# Altium PCB F103ZET6.PcbDoc (part 2 of 3)
Units mil, origin at the board's own origin, x right, y up, seen from the top; angles counter-clockwise.
Board outline 3789 x 2423 mil, 2 copper layers (Top Layer, Bottom Layer); 127 components, 166 nets, 593 pads, 224 vias.
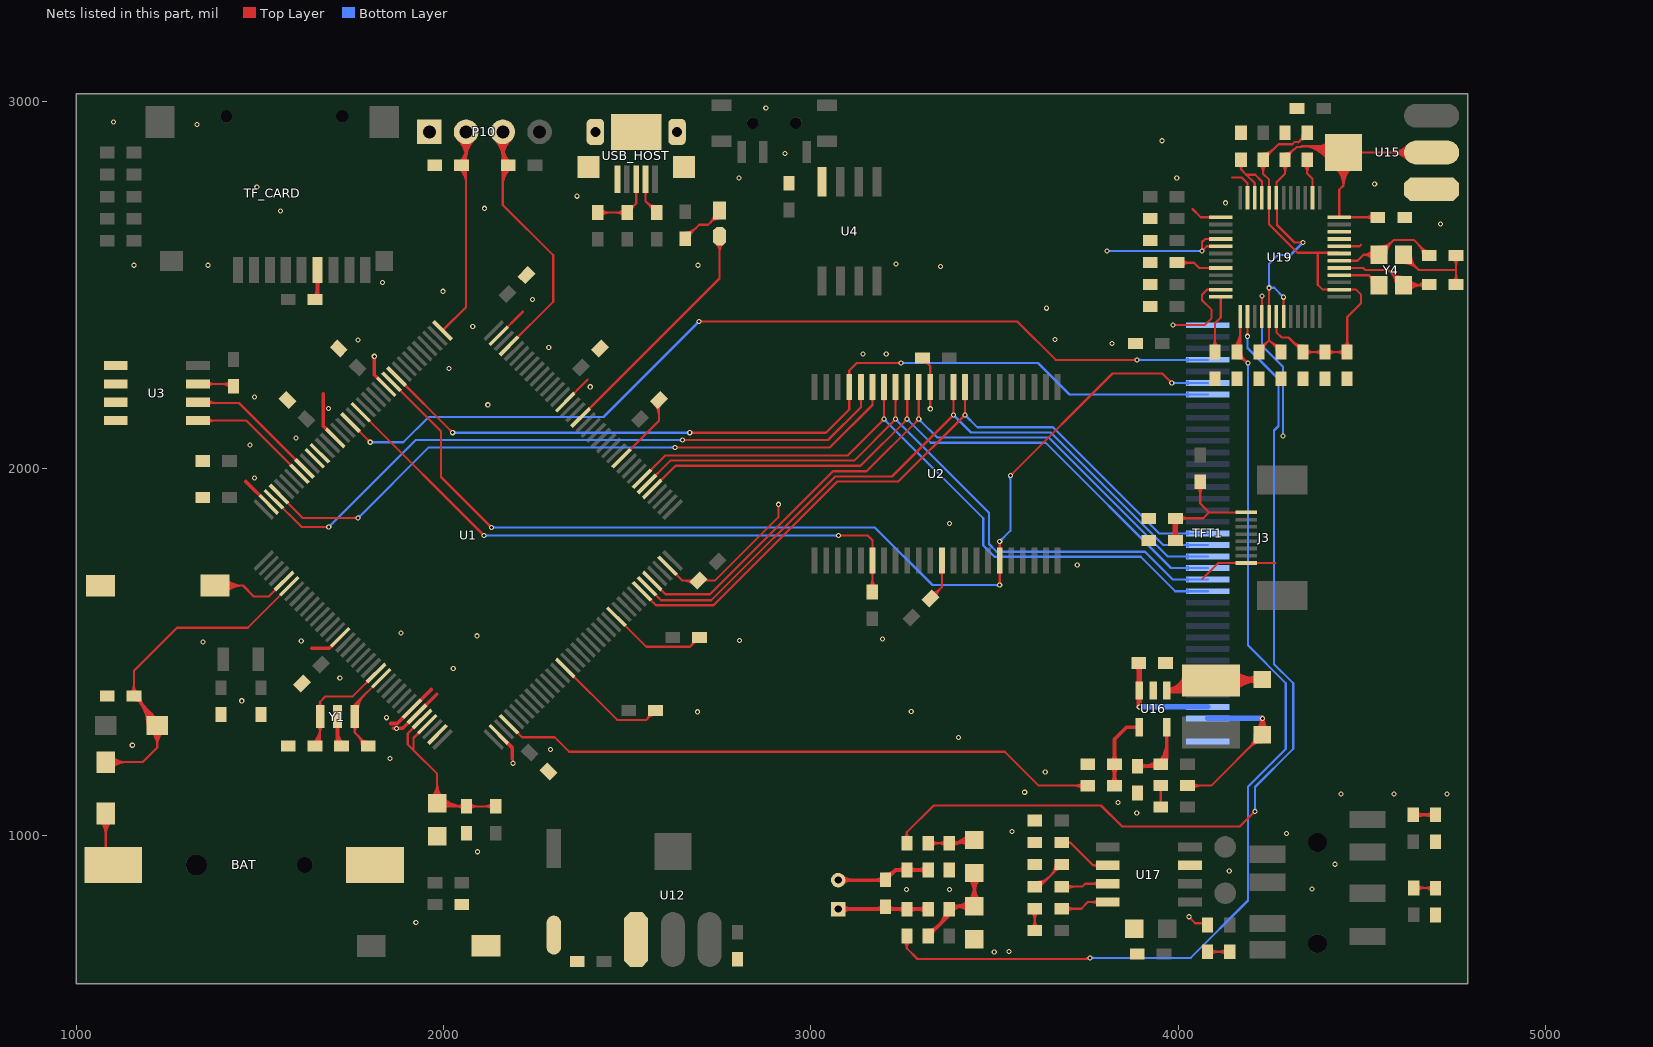
[diagram p2: the nets of this part, all layers, seen from the top]

## Via types
v1: diameter 14, hole 8, Top Layer to Bottom Layer, 224 vias

## Nets (pads, with @x,y where several pads share a name; then routed paths per layer and width w, separated by ;. In a path a pad name is that pad's centre, name@x,y a point inside that pad or via, vN(x,y) a via of type N, cw(c..) or ccw(c..) an arc to the next point about the centre after c; other vN are vias at no path point) (continued)
FSMC_D10: TFT1.19 U1.66 U2.31 | length 2063.3
  Top Layer w6: U1.66@2539.77,1665.25 2578.02,1627 2734.6,1627 3071.6,1964 3238.01,1964 v1(3419.43,2145.42) U2.31@3419.43,2221.09 ; v1@3415.43,2145.42 cw(c3405.77,2145.42) 3412.6,2138.59 cw(c3419.43,2131.76) v1@3419.43,2141.42 ; U2.31@3415.98,2190.08 cw(c3407.66,2181.76) 3419.43,2181.76 cw(c3431.19,2181.76) U2.31@3422.87,2190.08 ; v1@3416.6,2148.25 ccw(c3409.77,2155.07) 3419.43,2155.07 ccw(c3429.08,2155.07) v1@3422.25,2148.25
  Bottom Layer w6: v1@3419.43,2141.42 cw(c3419.43,2131.76) 3426.25,2138.59 cw(c3433.08,2145.42) v1@3423.43,2145.42 ; v1(3419.43,2145.42) 3453.06,2111.78 3659.03,2111.78 3947.89,1822.92 TFT1.19@4080.79,1822.92 ; TFT1.19@4026.16,1819.47 ccw(c4017.84,1811.15) 4017.84,1822.92 ccw(c4017.84,1834.69) TFT1.19@4026.16,1826.37
FSMC_D11: TFT1.20 U1.67 U2.32 | length 2057.9
  Top Layer w6: U1.67@2553.69,1679.17 2591.86,1641 2728.8,1641 3065.8,1978 3220.51,1978 v1(3387.93,2145.42) U2.32@3387.93,2221.09 ; v1@3383.93,2145.42 cw(c3374.27,2145.42) 3381.1,2138.59 cw(c3387.93,2131.76) v1@3387.93,2141.42 ; U2.32@3384.48,2190.08 cw(c3376.16,2181.76) 3387.93,2181.76 cw(c3399.7,2181.76) U2.32@3391.38,2190.08 ; v1@3385.1,2148.25 ccw(c3378.27,2155.07) 3387.93,2155.07 ccw(c3397.59,2155.07) v1@3390.76,2148.25
  Bottom Layer w6: v1@3387.93,2142.71 3387.93,2141.42 cw(c3387.93,2131.76) 3394.76,2138.59 cw(c3401.59,2145.42) v1@3391.93,2145.42 ; v1(3387.93,2145.42) 3435.57,2097.78 3653.23,2097.78 3959.59,1791.43 TFT1.20@4080.79,1791.43 ; TFT1.20@4026.16,1787.98 ccw(c4017.84,1779.66) 4017.84,1791.43 ccw(c4017.84,1803.19) TFT1.20@4026.16,1794.87
FSMC_D12: TFT1.21 U1.68 U2.35 | length 2050.2
  Top Layer w6: U1.68@2567.61,1693.09 2603.7,1657 2725,1657 3060,1992 3151.49,1992 v1(3293.44,2133.95) U2.35@3293.44,2221.09 ; v1@3289.44,2133.95 cw(c3279.79,2133.95) 3286.61,2127.12 cw(c3293.44,2120.3) v1@3293.44,2129.95 ; U2.35@3290,2190.08 cw(c3281.68,2181.76) 3293.44,2181.76 cw(c3305.21,2181.76) U2.35@3296.89,2190.08 ; v1@3290.61,2136.78 ccw(c3283.79,2143.61) 3293.44,2143.61 ccw(c3303.1,2143.61) v1@3296.27,2136.78
  Bottom Layer w6: v1@3293.44,2129.95 cw(c3293.44,2120.3) 3300.27,2127.12 cw(c3307.1,2133.95) v1@3297.44,2133.95 ; v1(3293.44,2133.95) 3343.61,2083.78 3647.43,2083.78 3971.28,1759.93 TFT1.21@4080.79,1759.93 ; TFT1.21@4026.16,1756.48 ccw(c4017.84,1748.16) 4017.84,1759.93 ccw(c4017.84,1771.7) TFT1.21@4026.16,1763.38
FSMC_D13: TFT1.22 U1.77 U2.36 | length 1929.6
  Top Layer w6: U1.77@2567.61,1943.64 2630.97,2007 3134.99,2007 v1(3261.95,2133.95) U2.36@3261.95,2221.09 ; v1@3257.95,2133.95 cw(c3248.29,2133.95) 3255.12,2127.12 cw(c3261.95,2120.3) v1@3261.95,2129.95 ; U2.36@3258.5,2190.08 cw(c3250.18,2181.76) 3261.95,2181.76 cw(c3273.71,2181.76) U2.36@3265.39,2190.08 ; v1@3259.12,2136.78 ccw(c3252.29,2143.61) 3261.95,2143.61 ccw(c3271.6,2143.61) v1@3264.77,2136.78
  Bottom Layer w6: v1@3261.95,2129.95 cw(c3261.95,2120.3) 3268.77,2127.12 cw(c3275.6,2133.95) v1@3265.95,2133.95 ; v1(3261.95,2133.95) 3326.12,2069.78 3638.94,2069.78 3980.29,1728.43 TFT1.22@4080.79,1728.43 ; TFT1.22@4026.16,1724.99 ccw(c4017.84,1716.67) 4017.84,1728.43 ccw(c4017.84,1740.2) TFT1.22@4026.16,1731.88
FSMC_D14: TFT1.23 U1.78 U2.37 | length 2000.9
  Top Layer w6: U1.78@2553.69,1957.56 2617.13,2021 3117.5,2021 v1(3230.45,2133.95) U2.37@3230.45,2221.09 ; v1@3226.45,2133.95 cw(c3216.79,2133.95) 3223.62,2127.12 cw(c3230.45,2120.3) v1@3230.45,2129.95 ; U2.37@3227,2190.08 cw(c3218.68,2181.76) 3230.45,2181.76 cw(c3242.22,2181.76) U2.37@3233.9,2190.08 ; v1@3227.62,2136.78 ccw(c3220.79,2143.61) 3230.45,2143.61 ccw(c3240.11,2143.61) v1@3233.28,2136.78
  Bottom Layer w6: v1@3230.45,2129.95 cw(c3230.45,2120.3) 3237.28,2127.12 cw(c3244.11,2133.95) v1@3234.45,2133.95 ; v1(3230.45,2133.95) 3485,1879.4 3485,1793.8 3505.8,1773 3909.46,1773 3985.52,1696.94 TFT1.23@4080.79,1696.94 ; TFT1.23@4026.16,1693.49 ccw(c4017.84,1685.17) 4017.84,1696.94 ccw(c4017.84,1708.7) TFT1.23@4026.16,1700.38
FSMC_D15: TFT1.24 U1.79 U2.38 | length 2015.3
  Top Layer w6: U1.79@2539.77,1971.48 2603.29,2035 3100,2035 v1(3198.95,2133.95) U2.38@3198.95,2221.09 ; v1@3194.95,2133.95 cw(c3185.3,2133.95) 3192.12,2127.12 cw(c3198.95,2120.3) v1@3198.95,2129.95 ; U2.38@3195.51,2190.08 cw(c3187.19,2181.76) 3198.95,2181.76 cw(c3210.72,2181.76) U2.38@3202.4,2190.08 ; v1@3196.12,2136.78 ccw(c3189.3,2143.61) 3198.95,2143.61 ccw(c3208.61,2143.61) v1@3201.78,2136.78
  Bottom Layer w6: v1@3198.95,2129.95 cw(c3198.95,2120.3) 3205.78,2127.12 cw(c3212.61,2133.95) v1@3202.95,2133.95 ; v1(3198.95,2133.95) 3469,1863.9 3469,1790 3500,1759 3898,1759 3991.56,1665.44 TFT1.24@4080.79,1665.44 ; TFT1.24@4026.16,1661.99 ccw(c4017.84,1653.67) 4017.84,1665.44 ccw(c4017.84,1677.21) TFT1.24@4026.16,1668.89
FSMC_NBL0: U1.141 U2.39 | length 1897.9
  Top Layer w6: U1.141@1551.49,1929.72 1616.21,1865 v1(1767,1865) ; v1@1764.17,1862.17 ccw(c1757.34,1855.34) 1757.34,1865 ccw(c1757.34,1874.66) v1@1764.17,1867.83 ; v1(2630,2057) 3052,2057 3167.46,2172.46 U2.39@3167.46,2221.09 ; v1@2632.83,2054.17 cw(c2639.66,2047.34) 2639.66,2057 cw(c2639.66,2066.66) v1@2632.83,2059.83 ; U2.39@3164.01,2190.08 cw(c3155.69,2181.76) 3167.46,2181.76 cw(c3179.22,2181.76) U2.39@3170.9,2190.08
  Bottom Layer w6: v1(1767,1865) 1959,2057 v1(2630,2057) ; v1@1767,1869 ccw(c1767,1878.66) 1773.83,1871.83 ccw(c1780.66,1865) v1@1771,1865 ; v1@2627.17,2054.17 ccw(c2620.34,2047.34) 2620.34,2057 ccw(c2620.34,2066.66) v1@2627.17,2059.83
FSMC_NBL1: U1.142 U2.40 | length 1898.8
  Top Layer w6: U1.142@1537.57,1915.8 1613.37,1840 v1(1687,1840) ; v1@1684.17,1837.17 ccw(c1677.34,1830.34) 1677.34,1840 ccw(c1677.34,1849.66) v1@1684.17,1842.83 ; v1(2650,2077) 3046.54,2077 3135.96,2166.42 U2.40@3135.96,2221.09 ; v1@2652.83,2074.17 cw(c2659.66,2067.34) 2659.66,2077 cw(c2659.66,2086.66) v1@2652.83,2079.83 ; U2.40@3132.51,2190.08 cw(c3124.19,2181.76) 3135.96,2181.76 cw(c3147.73,2181.76) U2.40@3139.41,2190.08
  Bottom Layer w6: v1(1687,1840) 1924,2077 v1(2650,2077) ; v1@1687,1844 ccw(c1687,1853.66) 1693.83,1846.83 ccw(c1700.66,1840) v1@1691,1840 ; v1@2647.17,2074.17 ccw(c2640.34,2067.34) 2640.34,2077 ccw(c2640.34,2086.66) v1@2647.17,2079.83
FSMC_NE3: R1.1 U1.125 U2.6 | length 1850
  Top Layer w6: U1.125@1774.2,2152.43 v1(2109.63,1817) ; v1@2105.63,1817 ccw(c2095.97,1817) 2102.8,1823.83 ccw(c2109.63,1830.66) v1@2109.63,1821 ; v1(3075,1817) 3155,1817 3167.46,1804.54 U2.6@3167.46,1748.65 R1.1@3167.46,1663.5 ; v1@3077.83,1814.17 cw(c3084.66,1807.34) 3084.66,1817 cw(c3084.66,1826.66) v1@3077.83,1819.83 ; R1.1@3158.44,1676.77 ccw(c3136.68,1698.53) 3167.46,1698.53 ccw(c3198.23,1698.53) R1.1@3176.47,1676.77 ; R1.1@3162.69,1672.52 ccw(c3151.17,1684.04) 3167.46,1684.04 ccw(c3183.75,1684.05) R1.1@3172.23,1672.52 ; U2.6@3164.01,1717.64 cw(c3155.69,1709.32) 3167.46,1709.32 cw(c3179.22,1709.32) U2.6@3170.9,1717.64 ; U2.6@3164.01,1779.65 ccw(c3155.69,1787.97) 3167.46,1787.97 ccw(c3179.22,1787.97) U2.6@3170.9,1779.65
  Bottom Layer w6: v1(2109.63,1817) v1(3075,1817) ; v1@2112.46,1814.17 cw(c2119.29,1807.34) 2119.29,1817 cw(c2119.29,1826.66) v1@2112.46,1819.83 ; v1@3072.17,1814.17 ccw(c3065.34,1807.34) 3065.34,1817 ccw(c3065.34,1826.66) v1@3072.17,1819.83
FSMC_NE4: TFT1.4 U1.127 | length 2645.7
  Top Layer w6: U1.127@1746.36,2124.59 v1(1799.95,2071) ; v1@1795.95,2071 ccw(c1786.3,2071) 1793.13,2077.83 ccw(c1799.95,2084.66) v1@1799.95,2075 ; v1(2695,2400) 3562,2400 3666.64,2295.36 v1(3887.64,2295.36) ; v1@2697.83,2397.17 cw(c2704.66,2390.34) 2704.66,2400 cw(c2704.66,2409.66) v1@2697.83,2402.83 ; v1@3884.81,2292.53 ccw(c3877.98,2285.71) 3877.98,2295.36 ccw(c3877.98,2305.02) v1@3884.81,2298.19
  Bottom Layer w6: v1(1799.95,2071) 1890,2071 1959,2140 2435,2140 v1(2695,2400) ; v1@1802.78,2068.17 cw(c1809.61,2061.34) 1809.61,2071 cw(c1809.61,2080.66) v1@1802.78,2073.83 ; v1@2691,2400 cw(c2681.34,2400) 2688.17,2393.17 cw(c2695,2386.34) v1@2695,2396 ; v1(3887.64,2295.36) TFT1.4@4080.79,2295.36 ; v1@3890.47,2292.53 cw(c3897.29,2285.71) 3897.29,2295.36 cw(c3897.29,2305.02) v1@3890.47,2298.19 ; TFT1.4@4026.16,2291.92 ccw(c4017.84,2283.6) 4017.84,2295.36 ccw(c4017.84,2307.13) TFT1.4@4026.16,2298.81
FSMC_NOE: TFT1.7 U1.118 U2.41 | length 2595.5
  Top Layer w6: U1.118@1871.64,2249.86 v1(2024.5,2097) ; v1@2020.5,2097 ccw(c2010.85,2097) 2017.67,2103.83 ccw(c2024.5,2110.66) v1@2024.5,2101 ; v1(2670,2097) 3041.09,2097 3104.46,2160.38 U2.41@3104.46,2221.09 3104.46,2266.46 3125,2287 v1(3245,2287) ; v1@2672.83,2094.17 cw(c2679.66,2087.34) 2679.66,2097 cw(c2679.66,2106.66) v1@2672.83,2099.83 ; U2.41@3101.02,2190.08 cw(c3092.7,2181.76) 3104.46,2181.76 cw(c3116.23,2181.76) U2.41@3107.91,2190.08 ; U2.41@3101.02,2252.09 ccw(c3092.7,2260.41) 3104.46,2260.41 ccw(c3116.23,2260.41) U2.41@3107.91,2252.09 ; v1@3242.17,2284.17 ccw(c3235.34,2277.34) 3235.34,2287 ccw(c3235.34,2296.66) v1@3242.17,2289.83
  Bottom Layer w6: v1(2024.5,2097) v1(2670,2097) ; v1@2027.33,2094.17 cw(c2034.16,2087.34) 2034.16,2097 cw(c2034.16,2106.66) v1@2027.33,2099.83 ; v1@2667.17,2094.17 ccw(c2660.34,2087.34) 2660.34,2097 ccw(c2660.34,2106.66) v1@2667.17,2099.83 ; v1(3245,2287) 3618,2287 3704.13,2200.87 TFT1.7@4080.79,2200.87 ; v1@3247.83,2284.17 cw(c3254.66,2277.34) 3254.66,2287 cw(c3254.66,2296.66) v1@3247.83,2289.83 ; TFT1.7@4026.16,2197.43 ccw(c4017.84,2189.11) 4017.84,2200.87 ccw(c4017.84,2212.64) TFT1.7@4026.16,2204.32
FSMC_NWE: TFT1.6 U1.119 U2.17 | length 3139.3
  Top Layer w6: U1.119@1857.72,2235.94 1992.66,2101 1992.66,1976.34 v1(2130,1839) ; v1@2126,1839 ccw(c2116.34,1839) 2123.17,1845.83 ccw(c2130,1852.66) v1@2130,1843 ; U2.17@3510.47,1717.64 cw(c3502.15,1709.32) 3513.91,1709.32 cw(c3525.68,1709.32) U2.17@3517.36,1717.64 ; U2.17@3510.47,1779.65 ccw(c3502.15,1787.97) 3513.91,1787.97 ccw(c3525.68,1787.97) U2.17@3517.36,1779.65 ; v1@3511.09,1684.91 ccw(c3504.26,1691.74) 3513.91,1691.74 ccw(c3523.57,1691.74) v1@3516.74,1684.91 ; v1@3511.09,1798.09 cw(c3504.26,1791.26) 3513.91,1791.26 cw(c3523.57,1791.26) v1@3516.74,1798.09 ; v1(3513.91,1682.09) U2.17@3513.91,1748.65 v1(3513.91,1800.91) ; v1(3543,1980) 3821,2258 3956.74,2258 v1(3982.37,2232.37) ; v1@3543,1984 ccw(c3543,1993.66) 3549.83,1986.83 ccw(c3556.66,1980) v1@3547,1980 ; v1@3978.37,2232.37 ccw(c3968.71,2232.37) 3975.54,2239.2 ccw(c3982.37,2246.03) v1@3982.37,2236.37
  Bottom Layer w6: v1(2130,1839) 3174,1839 3330.91,1682.09 v1(3513.91,1682.09) ; v1@2132.83,1836.17 cw(c2139.66,1829.34) 2139.66,1839 cw(c2139.66,1848.66) v1@2132.83,1841.83 ; v1@3511.09,1679.26 ccw(c3504.26,1672.43) 3504.26,1682.09 ccw(c3504.26,1691.74) v1@3511.09,1684.91 ; v1(3513.91,1800.91) 3543,1830 v1(3543,1980) ; v1@3513.91,1804.91 ccw(c3513.91,1814.57) 3520.74,1807.74 ccw(c3527.57,1800.91) v1@3517.91,1800.91 ; v1@3540.17,1977.17 cw(c3533.34,1970.34) 3543,1970.34 cw(c3552.66,1970.34) v1@3545.83,1977.17 ; v1(3982.37,2232.37) TFT1.6@4080.79,2232.37 ; v1@3985.2,2229.54 cw(c3992.03,2222.71) 3992.03,2232.37 cw(c3992.03,2242.03) v1@3985.2,2235.2 ; TFT1.6@4026.16,2228.92 ccw(c4017.84,2220.6) 4017.84,2232.37 ccw(c4017.84,2244.14) TFT1.6@4026.16,2235.82
GND: BAT.2 C1.1 C2.1 C3.1 C4.2 C5.1 C6.1 C7.1 C8.1 C9.1 C10.1 C11.1 C12.1 C13.1 C14.1 C15.1 C16.1 C17.1 C18.1 C19.1 C20.1 C21.1 C29.2 C31.2 C36.2 C42.1 C43.1 C44.2 C45.1 C54.2 C60.1 C61.1 C62.1 C65.1 C66.1 C67.1 C72.1 C74.1 C75.1 C76.1 C77.2 C78.2 C79.2 C80.1 C87.1 C88.1 C89.1 C91.1 C92.1 C93.1 C94.2 C97.1 C98.1 C100.1 C101.1 C102.1 C103.1 C104.1 C105.2 J3.8 KEY0.2 P10.1 R6.2 R11.2 R44.1 R46.2 R53.1 R70.1 R76.2 RESET.2 TF_CARD.6 TFT1.1 TFT1.37 U1.16 U1.30 U1.31 U1.38 U1.51 U1.61 U1.71 U1.83 U1.94 U1.107 U1.120 U1.130 U1.143 U2.12 U2.34 U3.1 U3.2 U3.3 U3.4 U3.7 U4.4 U12.1 U15.1 U16.2 U17.7 U19.4 U19.16 U19.20 U19.21 U19.22 U19.35 U19.37 U19.40 U19.41 U19.47 USB_HOST.5 USB_HOST.6 USB_HOST.7 USB_HOST.8 USB_HOST.9 Y1.2 Y4.2 Y4.4 | length 5621.4
  Top Layer w6: U3.7@1331.41,2230 C31.2@1420.5,2230 ; U3.7@1358.13,2223.28 cw(c1374.35,2207.07) 1374.35,2230 cw(c1374.35,2252.93) U3.7@1358.13,2236.72 ; 1394.41,2230 cw(c1394.41,2195.91) C31.2@1418.51,2220.01 ; 1401.65,2230 ccw(c1401.65,2253.85) C31.2@1418.51,2236.99 ; 1408.89,2230 cw(c1408.89,2210.39) C31.2@1422.76,2224.26 ; U1.107@2150.03,2361.22 2216,2427.19 ; U1.51@2330.98,1456.46 2472.43,1315 2551.5,1315 C20.1@2576.5,1340 ; U1.94@2330.98,2180.27 2391.71,2241 ; U1.61@2470.17,1595.65 2551.82,1514 2670.5,1514 C21.1@2696.5,1540 ; U1.83@2484.09,2027.15 2585.81,2128.87 C12.1@2585.81,2185.81 ; 2554,1317.5 ccw(c2538.79,1332.71) C20.1@2559.79,1337.39 ; 2559.55,1323.05 cw(c2571.5,1311.1) C20.1@2571.5,1328 ; C20.1@2561.72,1325.22 ccw(c2551.42,1335.53) C20.1@2565.64,1338.7 ; C12.1@2573.79,2173.79 cw(c2544.77,2144.77) 2585.81,2144.77 ; C12.1@2578.03,2178.03 cw(c2559.25,2159.25) 2585.81,2159.25 ; 2585.81,2161.84 cw(c2602.71,2161.84) C12.1@2590.76,2173.79 ; U1.71@2609.36,1734.85 2650.02,1694.19 C11.1@2694.19,1694.19 2738.19,1694.19 2912,1868 v1(2912,1902) ; 2653.15,1694.19 cw(c2653.15,1653.15) C11.1@2682.17,1682.17 ; 2667.63,1694.19 cw(c2667.63,1667.63) C11.1@2686.41,1686.41 ; 2670.22,1694.19 ccw(c2670.22,1711.09) C11.1@2682.17,1699.14 ; 2673,1516.5 ccw(c2655.92,1533.58) C21.1@2679.69,1537.87 ; 2679.55,1523.05 cw(c2691.5,1511.1) C21.1@2691.5,1528 ; 2681.11,1524.61 ccw(c2669.66,1536.06) C21.1@2685.6,1538.93 ; C1.1@3303.5,2300 3324.94,2278.56 U2.34@3324.94,2221.09 v1(3324.94,2162.06) ; C1.1@3308.5,2288 cw(c3308.5,2271.1) 3320.45,2283.05 ; C1.1@3319.59,2295.41 ccw(c3331.74,2290.37) 3322.44,2281.06 ; U2.34@3321.49,2252.09 ccw(c3313.17,2260.41) 3324.94,2260.41 ccw(c3336.7,2260.41) U2.34@3328.38,2252.09 ; C2.1@3325.81,1645.81 3356.43,1676.43 U2.12@3356.43,1748.65 ; C2.1@3329.34,1661.34 ccw(c3329.34,1690.31) 3349.83,1669.83 ccw(c3370.31,1649.34) C2.1@3341.34,1649.34 ; U2.12@3352.99,1717.64 cw(c3344.67,1709.32) 3356.43,1709.32 cw(c3368.2,1709.32) U2.12@3359.88,1717.64 ; C97.1@3952.5,1078 C105.2@3952.5,1136 ; v1(3986,2390) 4072,2390 4091,2409 4091,2432 4065,2458 4065,2473 4078.58,2486.58 U19.47@4115.67,2486.58 ; v1(4029,779) 4046.46,761.54 4074.96,761.54 C60.1@4080,756.5 ; 4039,2706 4061.57,2683.43 U19.37@4115.67,2683.43 ; 4066,1699 4109.2,1742.2 J3.8@4185,1742.2 4264.8,1742.2 ; U19.41@4115.67,2604.69 4077.69,2604.69 v1(4065,2592) 4065,2616 4073.37,2624.37 U19.40@4115.67,2624.37 ; 4147,2792 4173,2792 4188.5,2776.5 U19.35@4188.5,2736.58 ; U19.4@4227.87,2413.74 v1(4227.87,2468.87) ; U19.16@4438.5,2525.95 4519.25,2525.95 Y4.2@4546.54,2498.66 ; U19.20@4438.5,2604.69 4493.69,2604.69 4498,2609 ; Y4.2@4526.33,2504.74 ccw(c4504.45,2509.18) 4520.24,2524.96 ccw(c4534.02,2538.75) Y4.2@4540.1,2520.22 ; Y4.2@4527.14,2518.06 ccw(c4537.43,2528.36) Y4.2@4541.97,2514.52 ; Y4.2@4528.13,2517.06 cw(c4517.58,2506.51) Y4.2@4532.21,2503.54 ; Y4.4@4613.46,2558.75 cw(c4613.46,2504.21) 4652.03,2542.77 ; Y4.4@4613.46,2564.75 cw(c4613.46,2524.7) 4641.79,2553.02 ; Y4.4@4613.46,2570.75 cw(c4613.46,2545.18) Y4.4@4631.54,2563.26 ; Y4.4@4613.46,2581.34 4654.8,2540 4756.5,2540 ; Y4.4@4628.09,2579.37 ccw(c4658.63,2579.37) Y4.4@4637.03,2557.77 ; Y4.4@4634.09,2579.37 ccw(c4679.12,2579.37) 4647.28,2547.53 ; C88.1@4748.01,2508.49 ccw(c4727.53,2528.97) 4756.5,2528.97 ccw(c4785.47,2528.97) C88.1@4764.99,2508.49 ; C87.1@4748.01,2571.51 cw(c4727.53,2551.03) 4756.5,2551.03 cw(c4785.47,2551.03) C87.1@4764.99,2571.51 ; C88.1@4756.5,2500 C87.1@4756.5,2580
  Top Layer w10: 1460.53,1965 U1.143@1523.65,1901.88 ; 1641,1510 1688.55,1510 U1.16@1718.52,1539.98 ; C36.2@1647.66,2467.07 ccw(c1626.22,2488.5) 1656.54,2488.5 ; TF_CARD.6@1650.33,2512.14 cw(c1635.34,2497.15) 1656.54,2497.15 cw(c1677.73,2497.15) TF_CARD.6@1662.74,2512.14 ; C36.2@1656.54,2460 TF_CARD.6@1656.54,2540 ; 1656.54,2479.78 ccw(c1674.51,2479.78) C36.2@1661.8,2467.07 ; 1672,2203 1672,2115.43 U1.130@1704.6,2082.83 ; Y1.2@1705.94,1299.5 cw(c1694.31,1287.87) 1710.76,1287.87 cw(c1727.2,1287.87) Y1.2@1715.57,1299.5 ; C6.1@1710.76,1254.74 Y1.2@1710.76,1324 ; C6.1@1710.76,1257.87 ccw(c1730.37,1257.87) C6.1@1716.5,1244 ; 1710.76,1282.01 ccw(c1754.51,1282.01) C6.1@1723.57,1251.07 ; v1(1811,2305) 1811,2254.82 U1.120@1843.8,2222.02 ; 1856,1305 1873.29,1305 U1.30@1913.4,1345.1 1966,1397.71 ; 1863,1292 1888.13,1292 U1.31@1927.31,1331.18 1981,1384.87 ; U1.38@2150.03,1275.51 2187,1238.53 2187,1210
  Bottom Layer w6: v1(3806,2592) v1(4065,2592) ; v1(4227.87,2468.87) 4227.87,2334.13 4285,2277 v1(4285,2088)
  other v1: 3499,683 3539,684 1924,763 3260,853 3377,853 4364,855 4139,904 4427,922 2092,956 4295,1006 3547,1011 3887,1061 3836,1090 4443,1113 4587.5,1113 4732,1113 3582,1118 3638,1173 2189,1197 1854,1210 2291,1234 1152,1246 3402,1267 1871,1292 1844,1321 2691,1337 3273,1338 1450,1367 1717,1429 2026,1455 1345,1527 1612,1530 2805,1531 3195,1535 2091,1544 1884,1552 3725,1737 3377,1850 1485,1974 1473,2064 1598,2083 1686,2163 2120,2173 1485,2194 2399,2222 2014,2272 3142,2311 3205,2311 2286,2329 3820,2340 1767,2349 3664,2351 2079,2386 3641,2436 2242,2460 1998,2482 1833,2506 3353,2550 1157,2553 1358,2553 2692,2553 3232,2556 4714,2665 1556,2701 2111,2708 4129,2723 2363,2741 1491,2766 4535,2774 2804,2791 3996,2791 2929,2857 3956,2892 1328,2936 1101,2943 2877,2981
IIC_SCL: U1.136 U3.6 | length 412.5
  Top Layer w6: U3.6@1331.41,2180 1333.41,2178 1442.4,2178 U1.136@1621.09,1999.31 ; U3.6@1353.88,2182.47 ccw(c1364.69,2193.28) 1364.69,2178 ; U3.6@1358.13,2173.28 cw(c1369.52,2161.89) 1369.52,2178 ; U3.6@1358.13,2186.72 ccw(c1379.17,2207.76) 1379.17,2178
IIC_SDA: U1.137 U3.5 | length 371.7
  Top Layer w6: U3.5@1331.41,2130 1462.57,2130 U1.137@1607.17,1985.4 ; U3.5@1358.13,2123.28 cw(c1374.35,2107.07) 1374.35,2130 cw(c1374.35,2152.93) U3.5@1358.13,2136.72
IOVDD: C74.2 C75.2 C76.2 R67.1 R68.2 U19.6 U19.14 U19.19 U19.32 | length 1716
  Top Layer w6: R67.1@4221.99,2827.23 cw(c4200.22,2805.47) 4231,2805.47 cw(c4261.78,2805.47) R67.1@4240.01,2827.23 ; R67.1@4226.23,2831.48 cw(c4214.71,2819.96) 4231,2819.96 cw(c4247.29,2819.96) R67.1@4235.77,2831.48 ; R67.1@4231,2851.5 ccw(c4231,2878.06) 4249.78,2859.28 ; R67.1@4231,2857.5 ccw(c4231,2898.54) 4260.02,2869.52 ; R67.1@4243.75,2844.75 cw(c4264.26,2844.75) 4249.76,2859.26 ; U19.6@4267.24,2413.74 4267.24,2370.76 4282,2356 4300.5,2356 C76.2@4340,2316.5 C75.2@4460,2316.5 4460,2412 4498,2450 4498,2473 4484.42,2486.58 U19.14@4438.5,2486.58 4393.42,2486.58 4380,2500 4380,2585 ; 4310.98,2345.52 ccw(c4340,2374.54) C76.2@4340,2333.5 ; 4321.22,2335.28 ccw(c4340,2354.06) C76.2@4340,2327.5 ; 4323.05,2333.45 cw(c4311.1,2321.5) C76.2@4328,2321.5 ; 4327.62,2887.92 cw(c4348.51,2867.03) R68.2@4350.25,2896.52 ; 4330.69,2890.99 ccw(c4312.42,2909.25) R68.2@4338.25,2909.25 ; R68.2@4337.07,2897.37 cw(c4349.56,2884.87) R68.2@4350.6,2902.51 ; C76.2@4348.49,2308.01 cw(c4368.97,2287.53) 4368.97,2316.5 cw(c4368.97,2345.47) C76.2@4348.49,2324.99 ; R68.2@4351,2913.5 4339.7,2913.5 4339.7,2900 4328.64,2888.94 4317,2888.94 4310.56,2882.5 4273,2882.5 R67.1@4231,2840.5 4231,2802 4247.56,2785.44 U19.32@4247.56,2736.58 4247.56,2664.19 4324.75,2587 4436.5,2587 U19.19@4438.5,2585 ; C74.2@4391.51,2308.01 ccw(c4371.03,2287.53) 4371.03,2316.5 ccw(c4371.03,2345.47) C74.2@4391.51,2324.99 ; 4402.35,2587 cw(c4402.35,2575.34) U19.19@4410.59,2583.59 ; C74.2@4408.49,2308.01 cw(c4428.97,2287.53) 4428.97,2316.5 cw(c4428.97,2345.47) C74.2@4408.49,2324.99 ; C75.2@4451.51,2308.01 ccw(c4431.03,2287.53) 4431.03,2316.5 ccw(c4431.03,2345.47) C75.2@4451.51,2324.99 ; C75.2@4451.51,2329.99 ccw(c4431.03,2350.47) 4460,2350.47 ccw(c4488.97,2350.47) C75.2@4468.49,2329.99
JTCK: P10.2 R6.1 U1.109 | length 1055.2
  Top Layer w6: U1.109@1996.91,2375.14 2061,2439.23 P10.2@2061,2916 ; P10.2@2039.46,2894.46 cw(c1987.45,2842.45) 2061,2842.45 cw(c2134.55,2842.45) P10.2@2082.54,2894.46 ; P10.2@2043.7,2898.7 cw(c2001.94,2856.94) 2061,2856.94 cw(c2120.06,2856.94) P10.2@2078.3,2898.7 ; R6.1@2043.74,2815.99 cw(c2002.06,2774.31) 2061,2774.31 ; R6.1@2043.74,2834.01 ccw(c2002.06,2875.69) 2061,2875.69 ; P10.2@2047.94,2902.94 cw(c2016.42,2871.42) 2061,2871.42 cw(c2105.58,2871.42) P10.2@2074.06,2902.94 ; R6.1@2047.98,2820.23 cw(c2016.55,2788.8) 2061,2788.8 ; R6.1@2047.98,2829.77 ccw(c2016.55,2861.2) 2061,2861.2 ; R6.1@2052.22,2824.47 cw(c2031.03,2803.28) 2061,2803.28 ; R6.1@2052.22,2825.53 ccw(c2031.03,2846.72) 2061,2846.72
JTDO: U1.133
JTMS: P10.3 R5.1 U1.105 | length 1244.1
  Top Layer w6: P10.3@2139.46,2894.46 cw(c2087.45,2842.45) 2161,2842.45 cw(c2234.55,2842.45) P10.3@2182.54,2894.46 ; P10.3@2143.7,2898.7 cw(c2101.94,2856.94) 2161,2856.94 cw(c2220.06,2856.94) P10.3@2178.3,2898.7 ; P10.3@2147.94,2902.94 cw(c2116.42,2871.42) 2161,2871.42 cw(c2205.58,2871.42) P10.3@2174.06,2902.94 ; 2161,2769.48 cw(c2226.77,2769.48) R5.1@2180.26,2815.99 ; 2161,2783.97 cw(c2212.28,2783.97) R5.1@2176.02,2820.23 ; 2161,2798.45 cw(c2197.79,2798.45) R5.1@2171.78,2824.47 ; R5.1@2161,2812.94 cw(c2183.31,2812.94) R5.1@2167.53,2828.71 ; R5.1@2161,2837.06 ccw(c2183.31,2837.06) R5.1@2167.53,2821.29 ; 2161,2851.55 ccw(c2197.79,2851.55) R5.1@2171.78,2825.53 ; 2161,2866.03 ccw(c2212.28,2866.03) R5.1@2176.02,2829.77 ; 2161,2880.52 ccw(c2226.77,2880.52) R5.1@2180.26,2834.01 ; P10.3@2161,2916 2161,2717 2298,2580 2298,2453.52 U1.105@2177.87,2333.38